# Altium PCB work_pcb_1.PcbDoc (part 2 of 3)
Units mm, origin at the board's own origin, x right, y up, seen from the top; angles counter-clockwise.
Board outline 119 x 103.3 mm, 3 copper layers (Top, Signal Layer 1, Bottom), stack 1.927 mm thick; 306 components, 217 nets, 981 pads, 395 vias.
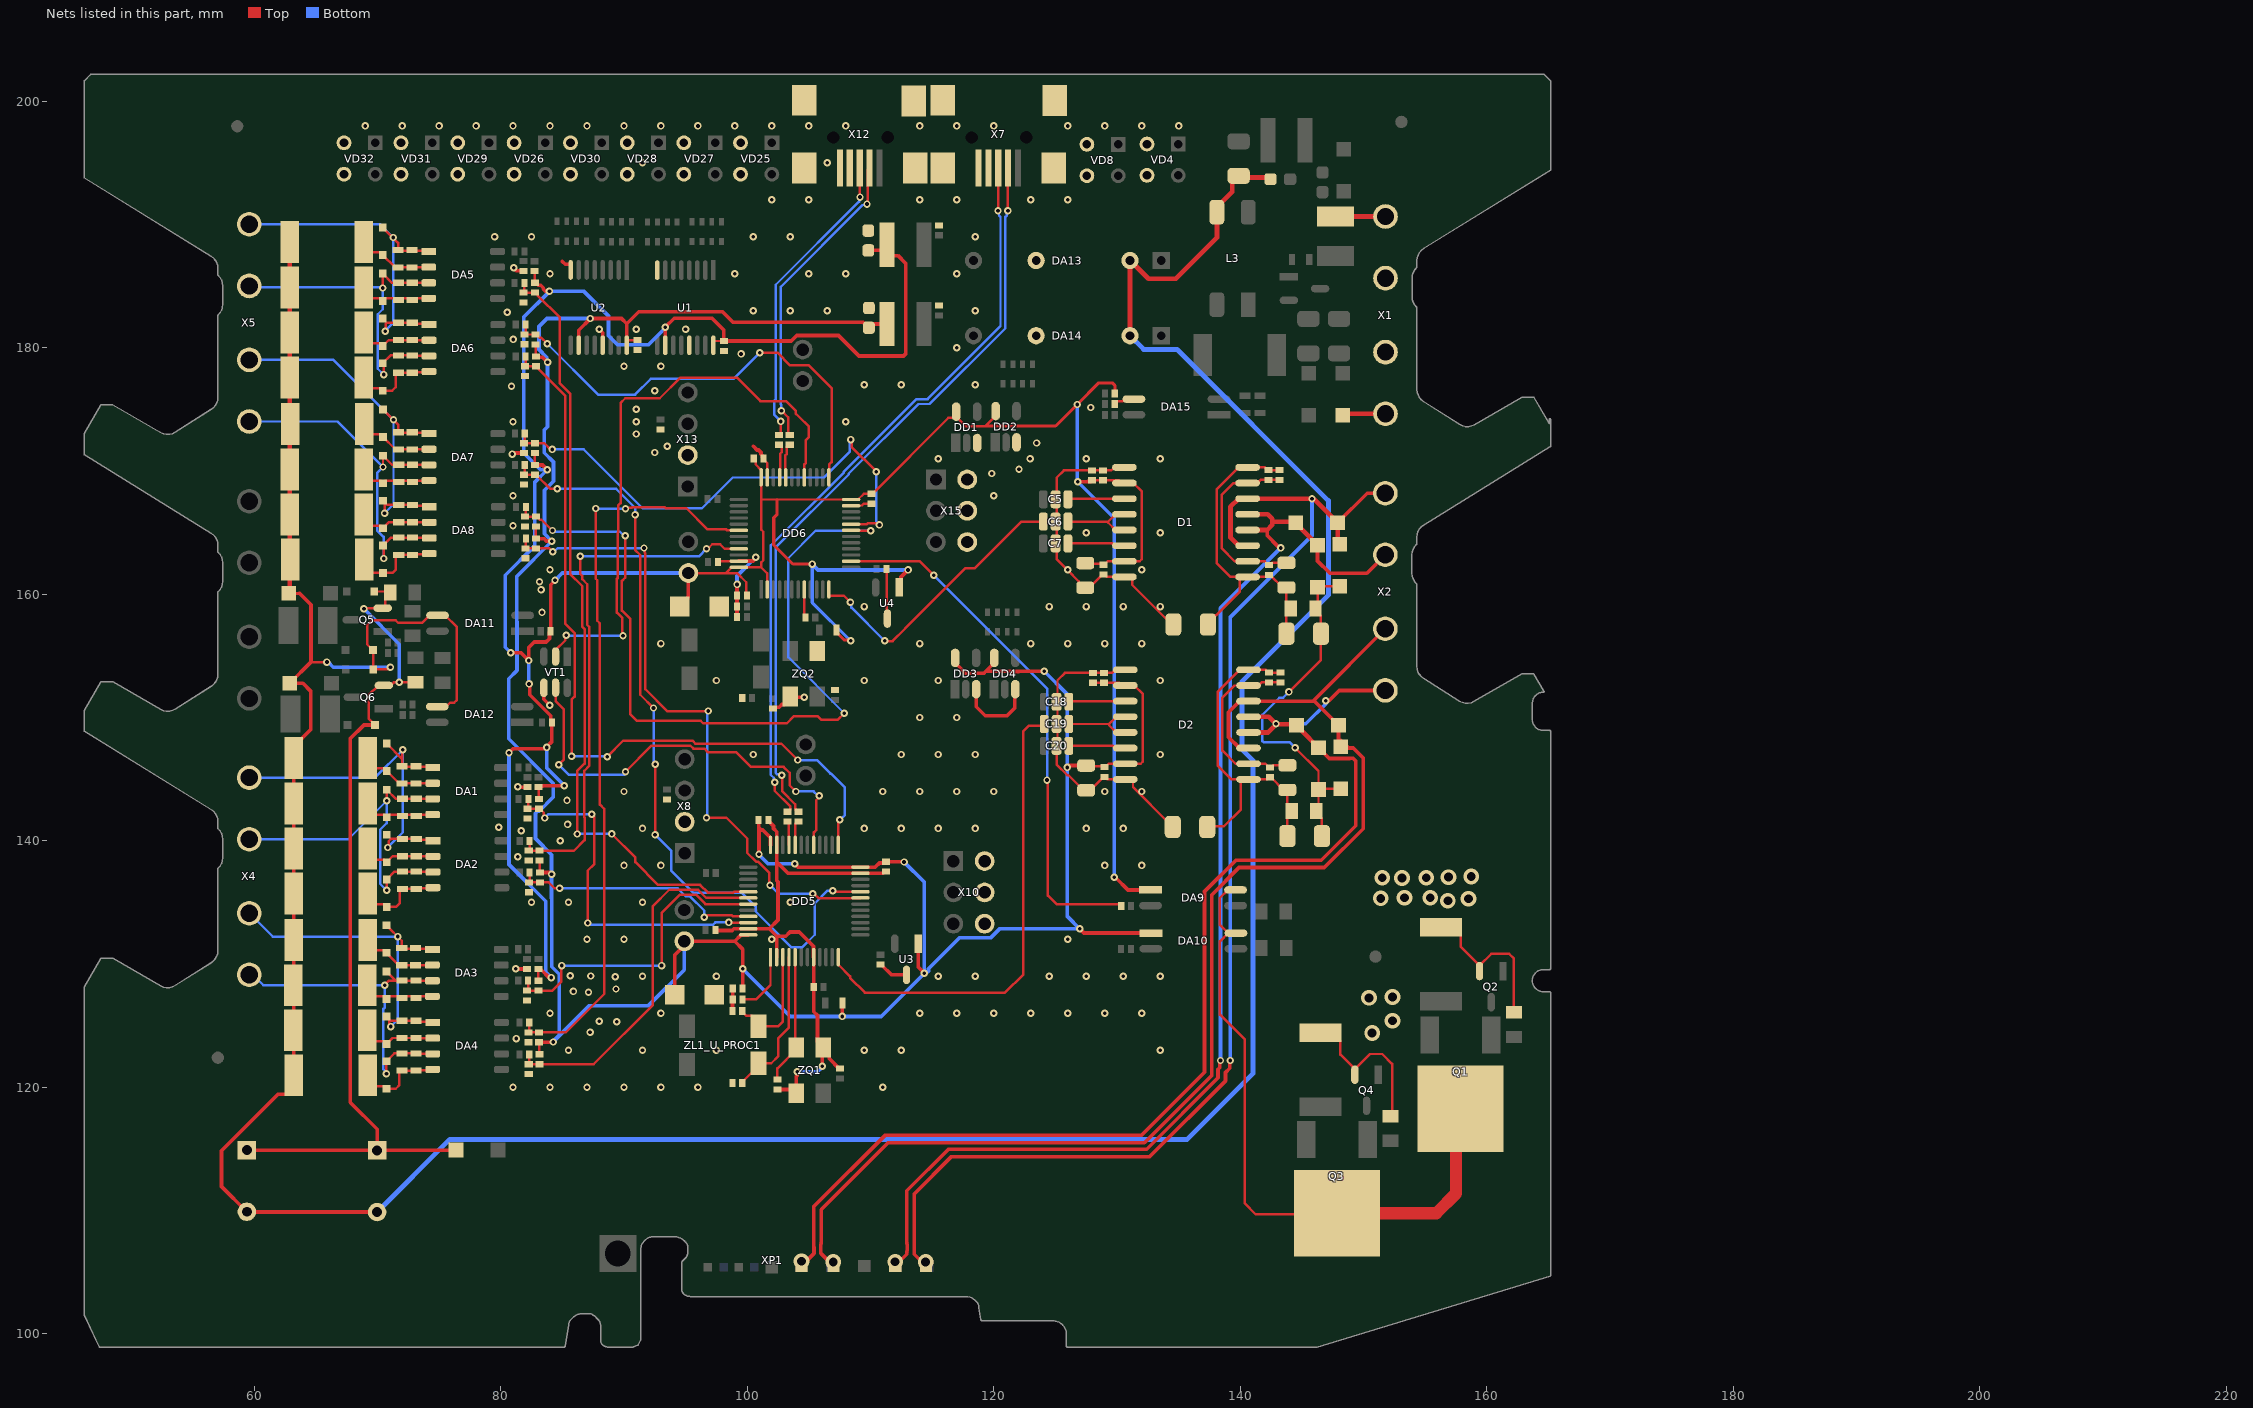
[diagram p3: the nets of this part, all layers, seen from the top]

## Via types
v1: diameter 0.6, hole 0.3, Top to Bottom, tented both sides, 377 vias
v2: diameter 1.27, hole 0.711, Top to Bottom, tented both sides, 18 vias

## Nets (pads, with @x,y where several pads share a name; then routed paths per layer and width w, separated by ;. In a path a pad name is that pad's centre, name@x,y a point inside that pad or via, vN(x,y) a via of type N, cw(c..) or ccw(c..) an arc to the next point about the centre after c; other vN are vias at no path point) (continued)
1out1_4: C54.2 DD6.20 R67.1 R71.1 | length 42.7
  Top w0.2: R71.1@81.945,173.049 81.945,172.325 C54.2@81.874,172.254 81.876,172.252 82.774,172.252 R67.1@82.776,172.25 83.55,172.25 84.05,171.75 v1(84.175,171.75) ; v1(108.4,172.55) 108.475,172.475 108.475,171.95 v1(110.475,169.95) ; DD6.20@108.426,165.687 109.714,165.687 109.776,165.75 110.492,165.75 110.617,165.625 v1(110.725,165.625)
  Bottom w0.2: v1(84.175,171.75) 86.739,171.75 91.514,166.975 96.326,166.975 98.826,169.475 106.225,169.475 108.3,171.55 108.3,172.45 v1(108.4,172.55) ; v1(110.475,169.95) 110.475,165.825 110.675,165.625 v1(110.725,165.625)
1out2_1: C28.2 DD6.45 R8.1 R13.1 | length 42.7
  Top w0.2: R13.1@82.345,139.999 82.345,139.275 C28.2@82.274,139.204 82.276,139.202 83.148,139.202 R8.1@83.151,139.2 83.175,139.175 85.925,139.175 86.8,140.05 86.8,141.888 86.779,141.908 86.779,145.673 87.2,146.094 87.2,157.346 87.025,157.521 87.025,160.814 86.625,161.214 86.625,161.472 86.45,161.647 v1(86.45,163.075) ; v1(96.7,163.7) 96.808,163.7 97.166,164.058 97.803,164.058 98.174,163.687 DD6.45@99.326,163.687
  Bottom w0.2: v1(86.45,163.075) 96.075,163.075 v1(96.7,163.7)
1out2_2: C36.2 DD6.42 R28.1 R33.1 | length 60.3
  Top w0.2: C36.2@82.249,124.454 82.32,124.525 R33.1@82.32,125.249 ; C36.2@82.32,124.452 83.123,124.452 R28.1@83.126,124.45 85.275,124.45 88.4,127.575 88.4,142.581 88.05,142.931 88.05,157.627 87.829,157.848 87.829,161.141 87.704,161.266 v1(87.704,166.958) ; v1(90.125,166.95) 90.202,167.027 90.628,167.027 90.651,167.05 93.3,167.05 93.375,166.975 95.061,166.975 96.778,165.258 98.3,165.258 98.356,165.203 99.31,165.203 DD6.42@99.326,165.187
  Bottom w0.2: v1(87.704,166.958) 87.708,166.954 90.121,166.954 v1(90.125,166.95)
1out2_3: C44.2 DD6.25 R48.1 R53.1 | length 37.7
  Top w0.2: R53.1@82.02,181.874 82.02,181.15 C44.2@81.949,181.079 81.951,181.077 82.823,181.077 R48.1@82.825,181.075 82.9,181.075 83.15,180.825 83.275,180.825 v1(83.775,180.325) ; v1(101.025,179.6) 102.454,179.6 103.479,178.575 105,178.575 106.85,176.725 106.85,170.726 106.641,170.517 106.641,169.503 DD6.25@106.626,169.487
  Bottom w0.2: v1(83.775,180.325) 87.9,176.2 90.907,176.2 92.177,177.47 98.895,177.47 v1(101.025,179.6)
1out2_4: C52.2 DD6.19 R68.1 R73.1 | length 66.5
  Top w0.2: R73.1@82.045,167.099 82.045,166.375 C52.2@81.974,166.304 81.976,166.302 82.849,166.302 R68.1@82.851,166.3 82.926,166.3 83.176,166.05 83.3,166.05 84.178,165.172 v1(84.197,165.172) ; v1(90.1,164.75) 90.1,161.359 89.829,161.088 89.829,158.676 90.525,157.98 90.525,156.376 90.5,156.351 90.5,150.284 91.064,149.72 96.228,149.72 96.416,149.532 103.215,149.532 103.797,150.115 105.703,150.115 106.018,149.8 107.325,149.8 v1(107.875,150.35) ; DD6.19@108.426,165.187 108.441,165.172 110.003,165.172 v1(110.025,165.15)
  Bottom w0.2: v1(84.197,165.172) 84.294,165.075 89.667,165.075 89.992,164.75 v1(90.1,164.75) ; v1(107.875,150.35) 103.325,154.9 103.325,162.925 105.55,165.15 v1(110.025,165.15)
2out1_1: C34.2 DD5.46 R17.1 R21.1 | length 28.9
  Top w0.2: C34.2@82.174,142.599 R17.1@83.099,142.599 83.174,142.599 83.498,142.274 83.498,141.927 v1(83.575,141.85) ; C34.2@82.245,142.67 R21.1@82.245,143.399 ; v1(87.05,133.325) 87.05,137.567 87.6,138.117 87.6,141.95 87.393,142.157 v1(87.379,142.157) ; v1(98.5,133.375) 98.513,133.362 DD5.46@100.088,133.362
  Bottom w0.2: v1(83.575,141.85) 83.882,142.157 v1(87.379,142.157) ; v1(87.05,133.325) 87.175,133.2 97.247,133.2 97.422,133.375 v1(98.5,133.375)
2out1_2: C42.2 DD5.43 R37.1 R41.1 | length 25.4
  Top w0.2: C42.2@82.149,127.849 R37.1@83.074,127.849 84.199,127.849 84.9,128.55 84.9,129.812 v1(84.963,129.875) ; C42.2@82.22,127.92 R41.1@82.22,128.649 ; v1(93.05,129.875) 93.05,134.125 94.55,135.625 95.848,135.625 96.611,134.862 DD5.43@100.088,134.862
  Bottom w0.2: v1(84.963,129.875) v1(93.05,129.875)
2out1_3: C50.2 DD5.41 R57.1 R61.1 | length 63.6
  Top w0.2: C50.2@81.849,184.474 R57.1@82.774,184.474 82.849,184.474 82.999,184.324 82.999,184.249 84.8,182.448 84.8,177.114 85.625,176.289 85.625,161.649 86.625,160.649 86.625,157.355 86.8,157.18 86.8,146.259 86.2,145.659 v1(86.2,140.55) ; C50.2@81.92,184.545 R61.1@81.92,185.274 ; v1(89.004,140.557) 90.928,138.633 90.928,138.272 92.775,136.425 96.18,136.425 96.805,135.8 98.864,135.8 98.927,135.862 DD5.41@100.088,135.862
  Bottom w0.2: v1(86.2,140.55) 86.203,140.553 89.001,140.553 v1(89.004,140.557)
2out1_4: C58.2 DD5.20 R77.1 R81.1 | length 63.1
  Top w0.2: C58.2@81.874,169.699 R77.1@82.799,169.699 82.874,169.699 84.024,168.55 v1(84.575,168.55) ; C58.2@81.945,169.77 R81.1@81.945,170.499 ; v1(90.9,166.45) 90.9,163.6 91.325,163.175 91.325,151.85 v1(92.4,150.775) ; v1(92.525,140.5) 92.55,140.525 v1(92.55,146.2) ; v1(106.95,135.95) 107.022,135.878 109.172,135.878 DD5.20@109.188,135.862
  Bottom w0.2: v1(84.575,168.55) 89.374,168.55 90.9,167.024 v1(90.9,166.45) ; v1(92.4,150.775) 92.4,146.35 v1(92.55,146.2) ; v1(92.525,140.5) 93.825,139.2 93.825,137.586 95.611,135.8 99.538,135.8 100.674,134.663 100.674,134.277 103.601,131.35 104.45,131.35 105.475,132.375 105.475,134.925 106.5,135.95 v1(106.95,135.95)
2out2_1: C33.2 DD5.45 R18.1 R23.1 | length 20.2
  Top w0.2: R23.1@82.345,137.411 82.345,136.669 C33.2@82.299,136.624 R18.1@83.174,136.624 83.901,136.624 84.375,136.15 v1(84.775,136.15) ; v1(96.525,133.8) 96.633,133.8 96.808,133.975 98.749,133.975 98.861,133.862 DD5.45@100.088,133.862
  Bottom w0.2: v1(84.775,136.15) 94.35,136.15 95.01,135.49 95.356,135.49 96.525,134.321 v1(96.525,133.8)
2out2_2: C41.2 DD5.42 R38.1 R43.1 | length 29.5
  Top w0.2: R43.1@82.32,122.661 82.32,121.919 C41.2@82.274,121.874 R38.1@83.149,121.874 87.549,121.874 92.35,126.675 92.35,134.7 93.675,136.025 96.014,136.025 96.677,135.362 DD5.42@100.088,135.362
2out2_3: C49.2 DD5.25 R58.1 R63.1 | length 64
  Top w0.2: R63.1@82.02,179.286 82.02,178.545 C49.2@81.974,178.499 R58.1@82.849,178.499 82.924,178.499 83.074,178.349 83.074,178.274 85.225,176.123 85.225,157.624 86,156.849 86,151.701 85.75,151.451 v1(85.75,146.85) ; v1(88.65,146.825) 89.945,148.12 95.546,148.12 95.791,147.875 102.775,147.875 v1(104.1,146.55) ; DD5.25@107.388,139.662 107.388,141.479 107.5,141.592 v1(107.5,141.7)
  Bottom w0.2: v1(85.75,146.85) 88.625,146.85 v1(88.65,146.825) ; v1(104.1,146.55) 105.65,146.55 106.75,145.45 106.799,145.45 107.925,144.324 107.925,142.067 107.808,141.95 107.775,141.95 107.525,141.7 v1(107.5,141.7)
2out2_4: C57.2 DD5.19 R78.1 R83.1 | length 53.1
  Top w0.2: R83.1@82.045,164.511 82.045,163.77 C57.2@82,163.724 R78.1@82.874,163.724 83.951,163.724 v1(84.222,163.453) ; v1(91.625,163.75) 91.702,163.673 91.702,163.364 91.725,163.341 91.725,152.299 93.504,150.52 96.817,150.52 v1(96.83,150.532) ; v1(96.7,141.875) 98.299,141.875 100,140.174 100,139.013 100.711,138.302 100.88,138.302 101.8,137.382 101.8,136.45 v1(101.85,136.4) ; v1(105.325,135.7) 105.433,135.7 105.783,135.35 109.175,135.35 DD5.19@109.188,135.362
  Bottom w0.2: v1(84.222,163.453) 84.33,163.453 84.627,163.75 v1(91.625,163.75) ; v1(96.7,141.875) 96.765,141.94 96.765,150.467 v1(96.83,150.532) ; v1(101.85,136.4) 102.55,135.7 v1(105.325,135.7)
3v_1: C1.1 C2.2 C8.2 C10.2 C59.1 C73.1 C74.1 C75.1 C76.2 C93.2 D1.2 D1.7 DA9.1 DD1.5 DD2.5 DD6.2 DD6.24 DD6.36 DD6.48 L2.1 L5.2 R7.2 R17.2 R27.2 R37.2 R47.2 R57.2 R67.2 R77.2 R114.1 R117.1 R120.2 U1.10 U1.16 U4.1 X11.1 | length 291.7
  Top w0.2: R47.2@82.751,186.225 82.751,185.298 R57.2@82.774,185.274 ; R77.2@82.776,170.523 R67.2@82.776,171.45 ; R27.2@83.05,129.6 83.05,128.672 R37.2@83.074,128.649 ; R7.2@83.075,144.35 83.075,143.422 R17.2@83.099,143.399 ; C76.2@94.525,159 C76.2@94.65,158.875 ; X11.1@95.225,161.725 95.25,161.7 98.228,161.7 ; U1.16@97.2,180.25 97.2,180.431 97.319,180.55 C59.1@98.1,180.55 ; C75.1@99.975,159.9 99.925,159.95 99.925,160.975 99.2,161.7 98.228,161.7 ; C73.1@100.525,171.025 100.675,170.875 100.675,170.548 101.126,170.097 DD6.36@101.126,169.487 101.126,167.625 ; DD6.2@101.626,160.387 101.626,161.699 101.138,162.187 ; DD2.5@120.15,174.865 120.15,174.465 119.335,173.65 117.715,173.65 116.95,174.415 116.854,174.319 116.319,174.319 110.15,168.15 C74.1@110.075,168.15 109.45,168.15 109.051,167.751 109.051,167.724 109.014,167.687 DD6.24@108.426,167.687 102.425,167.687 101.188,167.687 101.126,167.625 ; C8.2@127.425,162.525 127.488,162.463 128.837,162.463 C10.2@128.9,162.4 128.975,162.4 129.25,162.675 D1.7@130.599,162.675 131.85,162.675 132.025,162.85 132.025,168.324 131.324,169.025 D1.2@130.599,169.025 ; C1.1@127.975,169.25 C2.2@128.875,169.25 130.125,169.25 D1.2@130.475,168.9 ; 98.228,161.7 98.716,162.187 DD6.48@99.326,162.187 101.138,162.187 ; 101.125,167.624 101.125,165.244 101.3,165.069 101.3,162.751 101.138,162.589 101.138,162.187
  Top w0.254: 102.425,167.687 102.425,166.488 102.148,166.211 102.148,164.002 103.7,162.45 v1(105.275,162.45) ; L2.1@107.25,157.1 107.25,156.9 107.859,156.291 108.334,156.291 v1(108.4,156.225) ; 119.335,173.65 125.025,173.65 v1(126.774,175.399) 128.523,177.148 129.627,177.148 129.825,176.95 R120.2@129.825,176.3
  Top w0.3: v1(80.675,147.15) 81.001,147.475 83.825,147.475 v1(83.725,147.575) 83.725,147.625 84.15,148.05 R117.1@84.15,149.6 84.05,149.7 84.05,150.15 82.357,151.843 82.357,152.668 v1(82.3,152.725) ; v1(80.825,155.25) 81.65,155.25 v1(82.275,154.625) 82.275,155.675 82.725,156.125 83.675,156.125 83.95,156.4 83.95,156.899 R114.1@84.05,156.999 84.05,160.775 v1(84.4,161.125) ; R57.2@82.774,185.274 82.849,185.274 83.049,185.074 83.244,185.074 83.449,184.869 83.449,184.776 83.625,184.6 83.925,184.6 v1(83.95,184.575) ; R77.2@82.776,170.523 82.817,170.482 83.393,170.482 v1(83.775,170.1) ; R27.2@83.05,129.6 83.15,129.5 83.325,129.5 83.925,128.9 v1(84.1,128.9) ; R7.2@83.075,144.35 83.175,144.45 83.401,144.45 83.426,144.475 v1(85.15,144.475) ; U1.10@93.35,180.201 v1(93.35,181.675) 94.075,182.4 97.15,182.4 98.1,181.45 C59.1@98.1,180.55 103.573,180.55 104.024,181 107.4,181 109.075,179.325 112.674,179.325 112.85,179.501 112.85,186.85 112.224,187.476 111.8,187.476 111.35,187.926 L5.2@111.35,188.35 110.9,187.9 C93.2@109.825,187.9 ; C76.2@94.525,159 95.175,159.65 95.175,159.776 95.225,159.826 X11.1@95.225,161.725 ; U4.1@112.325,160.55 112.475,160.7 112.475,161.4 v1(113.05,161.975) ; v1(126.825,169.125) 127.624,169.125 127.649,169.15 127.875,169.15 C1.1@127.975,169.25 ; v1(129.775,137.05) 129.825,137 129.9,137 130.89,136.01 DA9.1@132.725,136.01
  Bottom w0.254: v1(105.275,162.45) 105.275,159.325 108.375,156.225 v1(108.4,156.225)
  Bottom w0.3: v1(80.675,147.15) 80.675,138.075 83.65,135.1 83.65,129.35 v1(84.1,128.9) ; v1(80.825,155.25) 80.375,155.7 80.375,161.55 82.75,163.925 82.75,169.075 v1(83.775,170.1) 83.228,170.1 81.874,171.454 81.874,182.499 v1(83.95,184.575) 86.75,184.575 88.75,182.575 88.75,180.975 89.475,180.25 92,180.25 93.35,181.6 v1(93.35,181.675) ; v1(82.275,154.625) 82.275,152.75 v1(82.3,152.725) ; v1(83.725,147.575) 83.725,145.9 v1(85.15,144.475) ; v1(84.4,161.125) 85,161.725 X11.1@95.225,161.725 ; v1(105.275,162.45) 105.75,161.975 v1(113.05,161.975) ; v1(126.774,175.399) 126.774,169.176 v1(126.825,169.125) 129.775,166.175 v1(129.775,137.05)
3v_2: C14.1 C15.2 C21.2 C23.2 C60.1 C61.1 C62.1 C63.1 C64.2 C97.2 D2.2 D2.7 DA10.1 DD3.5 DD4.5 DD5.24 DD5.36 DD5.48 L1.1 L6.2 R8.2 R18.2 R28.2 R38.2 R48.2 R58.2 R68.2 R78.2 U2.10 U2.16 U3.1 X6.1 | length 253.1
  Top w0.2: R48.2@82.825,180.275 82.825,179.323 R58.2@82.849,179.299 ; R68.2@82.851,165.5 82.851,164.548 R78.2@82.874,164.524 ; R28.2@83.126,123.65 83.126,122.697 R38.2@83.149,122.674 ; R8.2@83.151,138.4 83.151,137.447 R18.2@83.174,137.424 ; U2.16@90.225,180.556 90.294,180.625 C60.1@91.1,180.625 ; C21.2@127.5,146.099 127.562,146.037 128.912,146.037 C23.2@128.975,145.975 129.05,145.975 129.324,146.249 D2.7@130.674,146.249 131.924,146.249 132.1,146.424 132.1,151.898 131.399,152.599 D2.2@130.674,152.599 ; C14.1@128.05,152.824 C15.2@128.95,152.824 130.2,152.824 D2.2@130.55,152.475
  Top w0.3: R58.2@82.849,179.299 82.916,179.232 83.393,179.232 v1(83.8,178.825) ; R78.2@82.874,164.524 82.899,164.5 83.525,164.5 83.707,164.318 84.132,164.318 v1(84.15,164.3) ; R28.2@83.126,123.65 84.225,123.65 v1(84.25,123.675) ; R18.2@83.174,137.424 83.976,137.424 v1(84.125,137.275) ; U2.10@86.325,180.214 86.325,181.425 v1(87.275,182.375) 89.8,182.375 90.225,181.95 ; U2.16@90.225,180.214 90.225,180.556 90.225,181.95 ; C64.2@94.2,127.425 C64.2@94.125,127.5 94.125,130.725 95.25,131.85 98.985,131.85 ; C61.1@99.625,128.025 v1(99.625,129.618) 99.625,131.21 98.985,131.85 ; DD5.48@100.088,132.362 99.498,132.362 98.985,131.85 ; C62.1@100.925,141.675 100.925,141.075 100.95,141.05 ; v1(100.955,138.907) 100.95,138.912 100.95,141.05 ; DD5.36@101.888,139.662 101.888,140.252 101.265,140.875 101.125,140.875 100.95,141.05 ; v1(103.85,138.125) 104.113,137.862 DD5.24@109.188,137.862 110.388,137.862 110.725,138.2 111.15,138.2 C63.1@111.25,138.3 111.263,138.288 112.712,138.288 v1(112.725,138.275) ; v1(107.7,125.75) 107.713,125.763 107.713,126.837 L1.1@107.725,126.85 ; L6.2@111.35,181.925 110.197,181.925 109.897,181.625 C97.2@109.875,181.625 109.853,181.625 109.403,182.075 98.85,182.075 98,182.925 91.2,182.925 90.225,181.95 ; U3.1@113.875,131.65 113.875,129.75 v1(114.375,129.25) ; DD3.5@116.875,154.839 116.875,154.439 117.714,153.6 119.211,153.6 119.361,153.75 ; DD4.5@120.05,154.839 120.05,154.439 119.361,153.75 ; v1(124.1,153.75) 122.051,153.75 122.04,153.739 121.46,153.739 121.449,153.75 119.361,153.75 ; v1(125.975,145.95) 126.124,146.099 C21.2@127.5,146.099 ; v1(126.975,132.85) 127.315,132.51 DA10.1@132.749,132.51
  Bottom w0.3: v1(87.275,182.375) 83.75,182.375 83.1,181.725 83.1,179.85 83.743,179.207 83.743,178.882 v1(83.8,178.825) 83.8,173.6 83.525,173.325 83.525,171.481 84.275,170.731 84.275,169.169 83.547,168.441 83.547,164.903 v1(84.15,164.3) 81.3,161.45 81.3,157.771 81.325,157.746 81.325,153.823 80.65,153.148 80.65,148.268 84.25,144.668 84.25,143.525 83.125,142.4 83.001,142.4 82.825,142.224 82.825,140.175 84.125,138.875 v1(84.125,137.275) 84.125,135.332 84.15,135.307 84.15,129.769 84.75,129.169 84.75,124.236 84.25,123.736 v1(84.25,123.675) 87.2,126.625 92,126.625 94.9,129.525 X6.1@94.9,131.85 ; v1(99.625,129.618) 103.493,125.75 v1(107.7,125.75) 110.875,125.75 v1(114.375,129.25) ; v1(100.955,138.907) 100.955,138.87 101.7,138.125 v1(103.85,138.125) ; v1(112.725,138.275) 114.375,136.625 v1(114.375,129.25) ; v1(124.1,153.75) 125.975,151.875 v1(125.975,145.95) 125.975,133.85 v1(126.975,132.85) 120.471,132.85 119.741,132.12 117.195,132.12 114.7,129.625 114.7,129.426 114.674,129.4 114.606,129.4 114.456,129.25 v1(114.375,129.25)
24+: C94.1 C95.1 Q5.3 Q6.3 R113.2 R116.2 VD39.K VD42.K VD48.K | length 72.2
  Top w0.2: v1(68.9,158.825) 68.95,158.875 Q5.3@70.426,158.875 70.441,158.875 70.625,159.06 70.625,159.724 R113.2@71.025,160.124 70.924,160.226 VD39.K@69.74,160.226 ; VD42.K@69.79,149.4 69.275,149.915 69.275,151.813 70.068,152.606 Q6.3@70.518,152.606 71.076,152.606 71.326,152.856 R116.2@73.079,152.856
  Top w0.3: C95.1@59.4,114.9 C94.1@69.975,114.9 ; VD42.K@69.79,149.4 68.9,149.4 67.8,148.3 67.8,118.775 69.975,116.6 C94.1@69.975,114.9 ; C94.1@69.975,114.875 C94.1@69.975,114.9 ; VD48.K@76.375,114.9 C94.1@69.975,114.9
  Bottom w0.3: v1(68.9,158.825) 71.775,155.95 v1(71.775,152.85)
24-: C90.1 C91.1 C94.2 C95.2 DA11.3 DA12.3 DA13.2 DA14.2 L3.3 R10.1 R15.1 R20.1 R25.1 R30.1 R35.1 R40.1 R45.1 R50.1 R55.1 R60.1 R65.1 R70.1 R75.1 R80.1 R85.1 VD40.A VD41.A VD43.A VD44.A | length 350.1
  Top w0.2: VD40.A@62.8,160.076 62.8,173.8 62.8,181.25 62.8,188.475 R50.1@62.899,188.575 ; R45.1@63.199,120.975 63.224,121 R25.1@63.224,135.725 R10.1@63.224,146.699 ; 64.599,154.5 v1(65.9,154.5) ; v1(71.05,154.075) 70.942,154.075 70.766,153.9 VD44.A@69.665,153.9 69.665,155.45 VD41.A@69.64,155.475 69.175,155.94 69.175,157.5 69.55,157.875 71.487,157.875 71.687,157.675 73.625,157.675 74.234,158.284 DA11.3@74.875,158.284 75.5,158.284 76.45,157.335 76.45,151.425 76.234,151.209 75.908,151.209 75.584,150.885 DA12.3@74.85,150.885
  Top w0.254: VD40.A@62.8,160.076 63.674,160.076 ; VD43.A@62.875,152.775 63.95,152.775
  Top w0.3: VD40.A@62.8,160.076 62.899,160.175 62.899,166.475 R65.1@62.899,177.6 R50.1@62.899,188.575 ; VD43.A@62.875,152.775 64.599,154.5 64.599,159.151 63.674,160.076 ; R10.1@63.224,146.699 R10.1@63.224,147.174 ; 63.95,152.775 64.575,152.15 64.575,149 63.224,147.649 R10.1@63.224,147.174 ; C94.2@69.975,109.875 69.963,109.888 59.412,109.888 C95.2@59.4,109.9 57.35,111.95 57.35,114.845 61.93,119.425 62.599,119.425 63.199,120.025 R45.1@63.199,120.975 63.199,128.274 R30.1@63.199,131.949 R20.1@63.199,139.375 R15.1@63.199,143.024 63.199,147.149 R10.1@63.224,147.174
  Top w0.4: DA14.2@131.06,180.975 DA13.2@131.06,187.075 131.085,187.075 132.56,185.6 134.775,185.6 138.105,188.93 L3.3@138.105,191 138.105,191.4 139.351,192.646 139.351,193.509 139.791,193.95 C90.1@139.875,193.95 140.012,193.812 142.313,193.812 C91.1@142.45,193.675
  Bottom w0.3: v1(65.9,154.5) 65.981,154.5 66.406,154.075 v1(71.05,154.075)
  Bottom w0.4: C94.2@69.975,109.875 75.875,115.775 135.7,115.775 141.025,121.1 141.025,146.525 140.154,147.396 140.154,152.929 147.15,159.925 147.15,167.6 134.875,179.875 132.16,179.875 DA14.2@131.06,180.975
485_1_N: D1.12 D1.13 VD1.K VD2.K X2.2 XP1.2 | length 99.9
  Top w0.3: XP1.2@112,105.5 112.95,106.45 112.95,106.679 112.996,106.725 112.996,107.276 112.95,107.322 112.95,111.597 116.328,114.975 132.408,114.975 138.2,120.767 138.2,121.449 138.343,121.592 138.343,122.118 v1(138.4,122.175) ; 142.191,165.215 142.191,164.764 143.031,163.925 143.034,163.925 143.201,163.758 v1(143.282,163.758) ; VD2.K@146.275,163.975 146.275,162.7 147.275,161.7 150.276,161.7 X2.2@151.776,163.2
  Top w0.381: D1.12@140.599,165.215 142.191,165.215 142.6,165.623 142.6,165.874 ; D1.13@140.599,166.485 142.241,166.485 142.6,166.125 142.6,165.874 ; VD2.K@146.275,163.975 144.909,165.34 144.909,165.391 VD1.K@144.5,165.8 144.426,165.874 142.6,165.874
  Bottom w0.3: v1(138.4,122.175) 138.4,158.876 143.273,163.749 143.273,163.848 143.282,163.839 v1(143.282,163.758)
  other v2: 112,105.85
485_1_P: D1.11 D1.14 VD1.A VD3.K X2.1 XP1.1 | length 106.4
  Top w0.3: XP1.1@114.5,105.5 113.55,106.45 113.55,111.349 116.576,114.375 132.657,114.375 138.8,120.518 138.8,121.201 139.143,121.543 139.143,122.118 v1(139.2,122.175) ; VD3.K@147.625,164.5 147.9,164.225 VD3.K@148.075,164.05 ; VD1.A@147.9,165.8 150.3,168.2 X2.1@151.776,168.2
  Top w0.381: D1.11@140.599,163.945 139.874,163.945 139.209,164.61 139.209,167.089 139.874,167.755 D1.14@140.599,167.755 v1(145.825,167.755) 145.867,167.713 145.987,167.713 VD1.A@147.9,165.8 VD3.K@147.9,164.225
  Bottom w0.3: v1(139.2,122.175) 139.2,158.15 145.825,164.775 v1(145.825,167.755)
  other v2: 114.475,105.825
485_2_N: D2.12 D2.13 VD5.K VD6.K X2.4 XP1.5 | length 98.1
  Top w0.3: XP1.5@104.4,105.5 105.423,106.523 105.423,107.023 105.4,107.046 105.4,110.322 111.174,116.096 131.974,116.096 137.1,121.222 137.1,135.878 139.647,138.425 146.576,138.425 149.375,141.224 149.375,146.475 149.159,146.691 148.911,146.691 148.895,146.674 147.225,146.674 VD6.K@146.35,147.55 ; v1(146.95,151.35) 147.175,151.35 148.025,152.2 X2.4@151.776,152.2
  Top w0.381: D2.12@140.674,148.789 142.266,148.789 142.675,149.198 ; D2.13@140.674,150.059 142.315,150.059 142.675,149.699 ; v1@142.9,149.449 144.501,149.449 VD5.K@144.575,149.375 144.984,148.965 144.984,148.915 VD6.K@146.35,147.55
  Bottom w0.3: v1(142.9,149.5) 145.325,149.5 146.95,151.125 v1(146.95,151.35)
  other v2: 104.4,105.875
485_2_P: D2.11 D2.14 VD5.A VD7.K X2.3 XP1.4 | length 102.2
  Top w0.3: XP1.4@107,105.5 105.977,106.523 105.977,107.253 105.954,107.276 106,107.322 106,110.074 111.422,115.496 132.222,115.496 137.7,120.974 137.7,135.629 139.896,137.825 146.825,137.825 149.975,140.975 149.975,146.724 149.174,147.525 148.775,147.525 VD7.K@148.15,148.15 ; D2.11@140.674,147.519 139.93,147.519 139.05,148.399 139.05,150.43 139.949,151.329 D2.14@140.674,151.329 146.02,151.329 ; VD7.K@147.975,148.15 VD5.A@147.975,149.375 146.02,151.329 ; X2.3@151.776,157.2 146.02,151.444 146.02,151.329
  other v2: 106.975,105.825
D_U_PROC1_N: DD5.32 R108.1 | length 2
  Top w0.2: DD5.32@103.888,139.662 103.888,141.363 104.075,141.55 R108.1@104.15,141.55
D_U_PROC1_P: DD5.33 R107.1 | length 1.9
  Top w0.2: R107.1@103.25,141.55 103.388,141.412 DD5.33@103.388,139.662
D_U_PROC2_N: DD6.32 R112.1 | length 2.9
  Top w0.2: DD6.32@103.126,169.487 103.126,170.119 103.076,170.169 103.076,171.249 103.212,171.386 103.212,171.858 103.225,171.87 103.225,171.975 103.375,172.125 R112.1@103.45,172.125
D_U_PROC2_P: DD6.33 R111.1 | length 2.9
  Top w0.2: R111.1@102.575,172.125 102.65,172.125 102.8,171.975 102.8,171.87 102.812,171.858 102.812,171.552 102.676,171.415 102.676,170.169 102.626,170.119 DD6.33@102.626,169.487
Du_U_PROC1_N: R108.2 X7.2 | length 60.7
  Top w0.2: v1(102.791,145.316) 102.825,145.281 102.825,144.024 103.9,142.949 103.9,142.617 103.925,142.592 103.925,142.5 104.075,142.35 R108.2@104.15,142.35 ; v1(121.15,191.125) X7.2@121.15,193.775
  Bottom w0.2: v1(102.791,145.316) 102.714,145.392 102.431,145.392 102.308,145.516 102.308,163.794 108.239,169.725 108.239,169.788 113.887,175.436 114.801,175.436 120.95,181.585 120.95,190.616 121.073,190.739 121.073,191.048 v1(121.15,191.125)
Du_U_PROC1_P: R107.2 X7.3 | length 60.6
  Top w0.2: v1(102.225,144.75) 102.225,144.058 103.5,142.783 103.5,142.617 103.475,142.592 103.475,142.5 103.325,142.35 R107.2@103.25,142.35 ; v1(120.35,191.125) X7.3@120.35,193.775
  Bottom w0.2: v1(102.225,144.75) 102.148,144.827 102.148,145.109 101.908,145.35 101.908,163.959 107.839,169.89 107.839,169.953 113.722,175.836 114.635,175.836 120.55,181.751 120.55,190.616 120.427,190.739 120.427,191.048 v1(120.35,191.125)
Du_U_PROC2_N: R112.2 X12.2 | length 25.1
  Top w0.2: v1(102.775,174.9) 103.325,174.35 103.325,173.05 R112.2@103.45,172.925 ; v1(109.716,191.659) 109.793,191.735 109.793,194.456 X12.2@109.924,194.588
  Bottom w0.2: v1(102.775,174.9) 102.775,175.374 102.76,175.359 102.719,175.4 102.719,184.944 109.357,191.582 109.64,191.582 v1(109.716,191.659)
Du_U_PROC2_P: R111.2 X12.3 | length 25
  Top w0.2: R111.2@102.575,172.925 102.725,173.075 102.725,173.938 102.812,174.025 v1(102.725,174.025) ; X12.3@109.124,194.588 109.138,194.575 109.138,192.237 v1(109.151,192.224)
  Bottom w0.2: v1(102.725,174.025) 102.178,174.572 102.178,174.648 102.175,174.651 102.175,175.149 102.178,175.152 102.178,175.699 102.319,175.839 102.319,185.109 109.074,191.865 109.074,192.148 v1(109.151,192.224)
ERTH: C13.1 C26.1 R1.1 R4.1 VD2.A VD3.A VD6.A VD7.A | length 29.4
  Top w0.2: v1(143.95,152.075) 146.55,154.675 C13.1@146.55,156.8 146.55,158.25 146.275,158.525 VD2.A@146.275,160.575 146.35,160.65 VD3.A@148.075,160.65 ; v1(144.45,147.55) 146.35,145.65 VD6.A@146.35,144.149 ; C26.1@146.625,140.375 146.625,141.824 146.35,142.099 VD6.A@146.35,144.149 ; VD7.A@148.15,144.225 146.425,144.225 VD6.A@146.35,144.149
  Bottom w0.2: v1(143.95,152.075) 143.475,151.6 143.175,151.6 141.8,150.225 141.8,148.092 141.917,147.975 144.025,147.975 v1(144.45,147.55)
G1: DD6.29 VT1.2 | length 48.1
  Top w0.2: VT1.2@84.45,154.95 84.45,155.474 85.248,156.273 85.248,156.598 v1(85.325,156.675) ; v1(89.925,156.625) 89.875,156.675 89.875,158.065 89.429,158.51 89.429,161.254 89.5,161.324 89.5,164.999 89.525,165.024 89.525,167.199 89.725,167.399 89.725,175.525 90.1,175.9 92.9,175.9 94.575,177.575 99.175,177.575 101.075,175.675 103.147,175.675 103.923,174.898 103.923,174.677 104.2,174.4 104.2,174.399 105,173.599 105,172.75 104.733,172.483 104.733,170.63 104.641,170.537 104.641,169.502 DD6.29@104.626,169.487
  Bottom w0.2: v1(85.325,156.675) 85.35,156.65 89.9,156.65 v1(89.925,156.625)
G2: DD5.29 VT1.5 | length 35.7
  Top w0.2: VT1.5@84.45,152.425 84.45,151.325 85.125,150.65 85.125,146.6 v1(84.7,146.175) ; v1(90.125,145.6) 92.245,147.72 95.381,147.72 95.626,147.475 96.525,147.475 96.825,147.175 99.125,147.175 100.3,146 102.955,146 103.452,145.502 103.452,144.498 v1(103.95,144) ; DD5.29@105.388,139.662 105.403,139.678 105.403,140.672 105.6,140.869 105.6,143.292 105.85,143.542 v1(105.85,143.65)
  Bottom w0.2: v1(84.7,146.175) 85.525,145.35 90.008,145.35 90.125,145.467 v1(90.125,145.6) ; v1(103.95,144) 105.392,144 105.742,143.65 v1(105.85,143.65)
GND: C1.2 C2.1 C5.3 C6.3 C7.3 C8.1 C10.1 C12.1 C14.2 C15.1 C18.3 C19.3 C20.3 C21.1 C23.1 C25.1 C28.1 C30.1 C33.1 C34.1 C36.1 C38.1 C41.1 C42.1 C44.1 C46.1 C49.1 C50.1 C52.1 C54.1 C57.1 C58.1 C59.2 C60.2 C61.2 C62.2 C63.2 C64.1 C65.2 C66.2 C67.2 C68.2 C69.1 C70.2 C71.2 C72.1 C73.2 C74.2 C75.2 C76.1 C77.2 C78.2 C79.2 C80.2 C81.1 C82.2 C83.2 C84.1 C92.2 C93.1 C96.2 C97.1 C99.1 D1.1 D1.8 D2.1 D2.8 DA13.5 DA14.5 DA15.3 DD1.3 DD2.3 DD3.3 DD4.3 DD5.2 DD5.8 DD5.23 DD5.35 DD5.47 DD6.8 DD6.23 DD6.35 DD6.47 R105.1 R109.1 U1.8 U1.13 U2.8 U2.13 U3.2 U4.2 VD4.2 VD4.4 VD8.2 VD8.4 VD25.2 VD25.4 VD26.2 VD26.4 VD27.2 VD27.4 VD28.2 VD28.4 VD29.2 VD29.4 VD30.2 VD30.4 VD31.2 VD31.4 VD32.2 VD32.4 VT1.4 X7.4 X7.5 X7.6 X8.2 X10.4 X10.5 X10.6 X12.4 X12.5 X12.6 X13.2 X15.4 X15.5 X15.6 ZQ1.2 ZQ1.4 ZQ2.2 ZQ2.4 | length 142
  Top w0.2: R109.1@97.625,162.625 97.687,162.687 DD6.47@99.326,162.687 ; C73.2@101.325,171.025 101.325,170.95 101.626,170.649 DD6.35@101.626,169.487 ; DD6.8@104.626,160.387 104.641,160.372 104.641,158.209 C82.2@104.725,158.125 ; DD6.23@108.426,167.187 108.441,167.203 109.303,167.203 109.45,167.35 C74.2@110.075,167.35 ; C84.1@111.3,162.05 111.337,162.012 111.337,158.063 U4.2@111.375,158.025 ; C99.1@129.825,175.425 129.825,175.5 129.975,175.65 130.457,175.65 130.642,175.835 DA15.3@131.375,175.835 ; D2.1@130.674,153.869 129.854,153.869 129.61,153.624 C15.1@128.95,153.624 C14.2@128.05,153.624 125.775,153.624 125.175,153.024 125.175,149.474 125.175,147.699 125.099,147.623 125.099,146.189 125.97,145.318 126.056,145.318 127.275,144.099 C21.1@127.5,144.099 127.807,144.407 128.132,144.407 128.9,145.175 C23.1@128.975,145.175 129.05,145.175 129.245,144.979 D2.8@130.674,144.979 131.137,144.979 131.299,144.817 131.299,144.35 134.225,141.425 C25.1@134.225,141.174 ; D1.1@131.324,170.295 D1.1@130.599,170.295 129.78,170.295 129.535,170.05 C2.1@128.875,170.05 C1.2@127.975,170.05 125.7,170.05 125.1,169.45 125.1,165.9 125.1,162.85 125.975,161.975 126.893,161.057 126.893,160.914 127.281,160.525 C8.1@127.425,160.525 127.732,160.832 128.057,160.832 128.825,161.6 C10.1@128.9,161.6 128.975,161.6 129.17,161.405 D1.8@130.599,161.405 131.063,161.405 131.224,161.243 131.224,160.776 134.15,157.85 C12.1@134.15,157.6
  Top w0.3: v1(80.925,171.375) 81.004,171.454 C54.1@81.874,171.454 ; v1(81.05,186.5) 81.05,186.45 81.254,186.246 81.832,186.246 C46.1@81.849,186.229 ; v1(81.225,129.625) 81.246,129.604 C38.1@82.149,129.604 ; v1(81.375,144.375) 81.396,144.354 C30.1@82.174,144.354 ; VT1.4@83.5,152.41 83.5,151.475 v1(83.975,151) ; 85,187 85.226,186.774 85.652,186.774 85.675,186.751 U2.8@85.675,186.314 ; v1(88,181.5) 88.275,181.225 U2.13@88.275,180.214 ; R105.1@97.425,132.775 97.475,132.725 98.769,132.725 98.907,132.862 DD5.47@100.088,132.862 101.788,132.862 ; C67.2@98.8,126.2 98.813,126.212 98.813,127.113 C65.2@98.825,127.125 C61.2@98.825,128.025 ; C79.2@99.175,158.15 v1(99.175,160.8) ; DD6.47@99.326,162.687 99.336,162.697 100.472,162.697 100.7,162.925 v1(100.7,163) ; 100.5,172 100.8,171.7 100.92,171.7 101.125,171.495 101.125,171.375 101.225,171.275 101.225,171.125 C73.2@101.325,171.025 ; C62.2@101.725,141.675 101.725,141.6 102.125,141.2 102.125,141 102.388,140.737 DD5.35@102.388,139.662 102.388,138.275 ; C80.2@102.1,150.725 102.2,150.825 102.6,150.825 102.825,151.05 103,151.05 103.475,151.525 ZQ2.2@103.475,151.7 103.525,151.65 v1(104.625,151.65) ; DD5.2@102.388,130.562 102.388,132.262 ; C68.2@102.45,119.825 103.675,119.825 ZQ1.2@103.975,119.525 103.975,120.875 104.05,120.95 v1(104.05,121.25) ; v1(106.075,121.7) 106.075,123.125 ZQ1.4@106.175,123.225 ; C69.1@107.525,121.525 107.45,121.525 106.65,122.325 106.65,122.75 ZQ1.4@106.175,123.225 ; C72.1@110.8,129.95 110.875,129.95 111.7,129.125 U3.2@112.925,129.125 ; C63.2@111.25,137.5 111.175,137.5 111.037,137.362 DD5.23@109.188,137.362 103.3,137.362 102.388,138.275 ; DD3.3@118.575,152.299 118.575,150.881 119.306,150.15 121.075,150.15 121.7,150.775 121.7,152.249 DD4.3@121.75,152.299 ; 101.788,132.862 102.5,133.575 102.5,136.669 102.388,136.782 102.388,138.275 ; 101.788,132.862 102.388,132.262 ; 102.388,132.262 103.134,132.262 103.472,132.6 104.219,132.6 105.378,131.441 105.378,130.572 DD5.8@105.388,130.562 105.394,130.556 105.394,128.156 C70.2@105.4,128.15 105.4,126.125 105.7,125.825 105.7,123.7 ZQ1.4@106.175,123.225
  Bottom w0.3: v1(99.175,160.8) 99.175,161.475 v1(100.7,163) ; v1(104.05,121.25) 105.725,121.25 106.075,121.6 v1(106.075,121.7)
  other v1: 81,120 84,120 87,120 90,120 93,120 96,120 111,120 85.5,123 91.5,123 97.5,123 109.5,123 112.5,123 133.5,123 81.25,123.95 87.25,124.475 89.425,125.325 88,125.35 84,126 93,126 114,126 117,126 120,126 123,126 126,126 129,126 132,126 87.125,127.7 85.9,127.775 89.35,127.975 89.3,128.975 91.5,129 97.5,129 115.5,129 118.5,129 124.5,129 127.5,129 130.5,129 133.5,129 87.3,129.025 85.65,129.05 87,132 90,132 102,132 126,132 82.5,135 85.5,135 91.5,135 103.5,135 90,138 93,138 129,138 132,138 81.375,138.7 84.825,140 81.675,140.825 91.5,141 109.5,141 112.5,141 115.5,141 118.5,141 127.5,141 130.5,141 79.85,141.1 85.425,141.325 85.375,143.275 90,144 111,144 114,144 117,144 120,144 129,144 132,144 100.5,147 112.5,147 115.5,147 118.5,147 133.5,147 114,150 117,150 97.5,153 109.5,153 115.5,153 133.5,153 93,156 114,156 123,156 126,156 129,156 132,156 83.35,158.525 109.5,159 124.5,159 127.5,159 130.5,159 133.5,159 83.275,160.375 83.15,161.025 84,162 126,162 132,162 127.5,165 133.5,165 81,165.55 81,168 120,168 119.85,169.8 122.05,170.15 115.5,171 122.95,171 127.5,171 133.5,171 92.5,171.5 93.5,172 123.475,172.275 91,173 81,174 91,174 108,174 91,175 127.875,175.15 92.5,176.5 80.875,176.875 109.5,177 112.5,177 118.5,177 90,178.5 93,178.5 99.5,179.5 117,180 81.025,180.675 91,181.5 95,181.5 80.525,182.875 100.5,183 103.5,183 106.5,183 118.5,183 84,186 99,186 105,186 108,186 117,186 79.5,189 82.5,189 100.5,189 103.5,189 118.5,189 102,192 105,192 114,192 117,192 123,192 126,192 91.5,195 106.5,195 69,198 72,198 75,198 78,198 81,198 84,198 87,198 90,198 93,198 96,198 99,198 102,198 105,198 108,198 114,198 117,198 120,198 126,198 129,198 132,198 135,198
H\o\n\_1: DD6.14 R87.1 | length 43.3
  Top w0.2: DD6.14@108.426,162.687 113.988,162.687 v1(115.125,161.55) ; v1(124.325,144.925) 124.4,144.85 124.4,135.55 125.092,134.858 130.217,134.858 R87.1@130.35,134.725
  Bottom w0.2: v1(115.125,161.55) 124.325,152.35 v1(124.325,144.925)
in1_1: C27.2 C31.2 DA1.1 DA2.1 R9.2 R19.2 VD9.K VD11.K X4.1 | length 31.7
  Top w0.2: VD9.K@70.749,147.889 71.999,146.639 ; v1(70.825,139.45) 70.902,139.527 70.902,139.961 71.089,140.149 R19.2@72.024,140.149 C31.2@73.149,140.149 73.221,140.076 74.432,140.076 DA2.1@74.505,140.004 ; v1(72.05,147.375) 71.999,147.324 71.999,146.639 ; DA1.1@74.48,145.934 74.422,145.991 72.056,145.991 R9.2@71.999,146.049 71.999,146.639
  Bottom w0.2: X4.1@59.6,145.125 69.8,145.125 v1(72.05,147.375) 72.05,140.675 v1(70.825,139.45)
in1_2: C35.2 C39.2 DA3.1 DA4.1 R29.2 R39.2 VD13.K VD15.K X4.3 | length 29.9
  Top w0.2: VD15.K@70.724,125.739 VD15.K@70.939,125.524 ; VD13.K@70.724,133.139 71.974,131.889 R29.2@71.974,131.299 72.031,131.241 74.397,131.241 DA3.1@74.455,131.184 ; v1(71.075,124.925) 71.075,125.033 70.939,125.169 VD15.K@70.939,125.524 ; DA4.1@74.48,125.254 74.407,125.326 73.196,125.326 C39.2@73.124,125.399 R39.2@71.999,125.399 71.064,125.399 VD15.K@70.939,125.524
  Bottom w0.2: X4.3@59.6,134.125 61.5,132.225 v1(71.65,132.225) 71.65,125.5 v1(71.075,124.925)
in1_3: C43.2 C47.2 DA5.1 DA6.1 R49.2 R59.2 VD17.K VD19.K X5.1 | length 29.1
  Top w0.2: VD17.K@70.424,189.764 71.674,188.514 R49.2@71.674,187.924 71.731,187.867 74.097,187.867 DA5.1@74.155,187.809 ; v1(70.625,181.35) 70.69,181.415 70.69,181.95 70.764,182.024 R59.2@71.699,182.024 C47.2@72.824,182.024 72.896,181.952 74.107,181.952 DA6.1@74.18,181.879
  Bottom w0.2: X5.1@59.6,190.016 70.209,190.016 v1(71.275,188.95) 71.275,182 v1(70.625,181.35)
in1_4: C51.2 C55.2 DA7.1 DA8.1 R69.2 R79.2 VD21.K VD23.K X5.3 | length 31.3
  Top w0.2: VD23.K@70.449,167.589 VD23.K@70.575,167.463 ; VD21.K@70.449,174.989 71.699,173.739 R69.2@71.699,173.149 71.757,173.092 74.123,173.092 DA7.1@74.18,173.034 ; v1(70.575,166.575) VD23.K@70.575,167.463 ; DA8.1@74.205,167.104 74.133,167.177 72.922,167.177 C55.2@72.849,167.249 R79.2@71.724,167.249 70.789,167.249 VD23.K@70.575,167.463
  Bottom w0.2: X5.3@59.6,179.016 66.434,179.016 v1(71.3,174.15) 71.3,167.3 v1(70.575,166.575)
in2_1: C29.2 C32.2 DA1.3 DA2.3 R14.2 R24.2 VD10.K VD12.K X4.2 | length 30
  Top w0.2: VD10.K@70.749,144.14 VD10.K@70.75,144.139 ; v1(70.75,135.975) VD12.K@70.749,136.864 VD12.K@70.749,136.864 71.384,137.499 R24.2@72.024,137.499 C32.2@73.149,137.499 73.166,137.481 74.487,137.481 DA2.3@74.505,137.464 ; v1(70.75,143.25) VD10.K@70.75,144.139 ; DA1.3@74.48,143.394 71.495,143.394 VD10.K@70.75,144.139
  Bottom w0.2: X4.2@59.6,140.125 67.625,140.125 v1(70.75,143.25) 70.75,141.434 70.225,140.909 70.225,136.5 v1(70.75,135.975)
in2_2: C37.2 C40.2 DA3.3 DA4.3 R34.2 R44.2 VD14.K VD16.K X4.4 | length 28.8
  Top w0.2: v1(70.6,128.275) 70.625,128.3 70.625,128.35 70.929,128.654 71.46,128.654 ; VD14.K@70.724,129.39 71.46,128.654 ; v1(70.725,121.1) 70.724,121.101 VD16.K@70.724,122.114 71.359,122.749 R44.2@71.999,122.749 C40.2@73.124,122.749 73.141,122.731 74.462,122.731 DA4.3@74.48,122.714 ; R34.2@71.999,128.644 DA3.3@74.455,128.644 ; R34.2@71.999,128.654 71.46,128.654
  Bottom w0.2: X4.4@59.6,129.125 59.891,129.125 60.741,128.275 v1(70.6,128.275) 70.6,126.484 70.475,126.359 70.475,121.458 70.725,121.208 v1(70.725,121.1)
in2_3: C45.2 C48.2 DA5.3 DA6.3 R54.2 R64.2 VD18.K VD20.K X5.2 | length 28.5
  Top w0.2: VD18.K@70.424,186.015 VD18.K@70.424,186.015 ; v1(70.425,184.85) VD18.K@70.424,186.015 ; v1(70.5,177.825) 70.5,178.663 VD20.K@70.424,178.739 71.059,179.374 R64.2@71.699,179.374 C48.2@72.824,179.374 72.841,179.357 74.162,179.357 DA6.3@74.18,179.339 ; DA5.3@74.155,185.269 71.17,185.269 VD18.K@70.424,186.015
  Bottom w0.2: X5.2@59.6,185.016 59.689,184.927 70.348,184.927 v1(70.425,184.85) 70.425,183.122 70.025,182.722 70.025,178.3 v1(70.5,177.825)
in2_4: C53.2 C56.2 DA7.3 DA8.3 R74.2 R84.2 VD22.K VD24.K X5.4 | length 30.3
  Top w0.2: v1(70.45,170.325) VD22.K@70.449,171.24 71.195,170.494 DA7.3@74.18,170.494 ; v1(70.5,162.9) 70.5,163.913 VD24.K@70.449,163.964 71.084,164.599 R84.2@71.724,164.599 C56.2@72.849,164.599 72.867,164.582 74.188,164.582 DA8.3@74.205,164.564
  Bottom w0.2: X5.4@59.6,174.016 66.759,174.016 v1(70.45,170.325) 69.975,169.85 69.975,165.178 70.5,164.653 v1(70.5,162.9)
in24+: DA9.4 DA10.4 FU3.1 Q1.2 Q3.2 X1.1 X1.2 | length 57.6
  Top w0.2: DA9.4@139.625,136.01 139,136.01 138.324,135.334 138.324,133.21 DA10.4@139.024,132.51 ; DA10.4@139.649,132.51 DA10.4@139.024,132.51 ; Q3.2@147.85,109.776 147.775,109.7 141.25,109.7 140.375,110.575 140.375,123.875 138.35,125.9 138.35,131.836 DA10.4@139.024,132.51 ; Q1.2@157.5,117.875 Q1.2@157.875,118.25
  Top w0.4: FU3.1@147.725,190.65 147.727,190.648 X1.1@151.788,190.648
  Top w1: Q3.2@147.85,109.776 155.901,109.776 157.5,111.375 Q1.2@157.5,117.875
in24-: Q2.3 Q4.3 R89.1 R90.1 R93.1 R94.1 VD47.K X1.3 X1.4 | length 29.9
  Top w0.2: R94.1@146.525,124.426 147.475,124.426 148.125,123.776 148.125,122.649 Q4.3@149.299,121.475 ; Q4.3@149.299,121.025 Q4.3@149.299,121.475 ; R93.1@152.175,117.651 152.325,117.8 152.325,121.9 151.525,122.7 150.524,122.7 Q4.3@149.299,121.475 ; R90.1@156.275,132.975 157.225,132.975 157.875,132.325 157.875,131.416 Q2.3@159.415,129.876 ; Q2.3@159.415,129.426 Q2.3@159.415,129.876 ; R89.1@162.2,126.075 162.2,130.45 161.825,130.825 160.364,130.825 Q2.3@159.415,129.876
  Top w0.4: VD47.K@148.325,174.525 148.448,174.648 X1.4@151.788,174.648
  other v2: 150.7,124.4 152.35,125.4 150.45,127.25 152.35,127.325 156.85,135.125 158.525,135.3 151.4,135.325 153.325,135.375 155.425,135.375 153.125,136.975 151.525,137 155.1,137 156.9,137.05 158.75,137.1
NetC3_1: C3.1 C4.2 C9.2 C11.2 D1.10 D1.15 | length 15.4
  Top w0.2: D1.10@140.599,162.675 141.975,162.675 142.275,162.375 C11.2@142.35,162.375 142.425,162.375 142.6,162.55 C9.2@143.75,162.55 ; D1.10@140.599,162.675 139.55,162.675 138.485,163.74 138.485,168.042 139.467,169.025 D1.15@140.599,169.025 141.4,169.025 141.65,169.275 C4.2@142.275,169.275 C3.1@143.2,169.275
NetC3_2: C3.2 C4.1 C9.1 C11.1 C12.2 C13.2 D1.9 D1.16 R1.2 | length 27.6
  Top w0.2: C12.2@137.297,157.547 137.297,157.6 137.976,158.279 138.029,158.279 139.975,160.225 139.975,161.243 D1.9@140.137,161.405 ; C3.2@143.2,170.075 C4.1@142.275,170.075 142.2,170.075 141.981,170.295 D1.16@140.599,170.295 139.874,170.295 138.085,168.505 138.085,162.54 139.22,161.405 D1.9@140.137,161.405 ; C13.2@143.75,156.8 143.75,158.5 R1.2@144.1,158.85 143.75,159.2 C9.1@143.75,160.55 143.45,160.55 142.425,161.575 C11.1@142.35,161.575 142.275,161.575 142.105,161.405 D1.9@140.599,161.405 D1.9@140.137,161.405
NetC5_2: C5.2 D1.3 | length 4.6
  Top w0.2: C5.2@126.024,167.699 126.079,167.755 D1.3@130.599,167.755
NetC6_1: C6.1 DD6.12 | length 23.6
  Top w0.2: DD6.12@106.626,160.387 106.626,159.914 106.663,159.877 107.848,159.877 v1(108.375,159.35) ; v1(111.15,156.225) 111.175,156.2 111.8,156.2 112.8,157.2 112.8,157.225 117.675,162.1 118.45,162.1 122.25,165.9 C6.1@124.024,165.9
  Bottom w0.2: v1(108.375,159.35) 108.452,159.273 108.452,158.923 v1(111.15,156.225)
NetC6_2: C6.2 D1.4 D1.5 | length 6.5
  Top w0.2: C6.2@126.024,165.9 129.289,165.9 ; D1.5@130.599,165.215 129.874,165.215 129.289,165.8 129.289,165.9 ; D1.4@130.599,166.485 129.874,166.485 129.289,165.9
NetC7_2: C7.2 D1.6 | length 4.6
  Top w0.2: C7.2@126.024,164.125 129.6,164.125 129.78,163.945 D1.6@130.599,163.945
NetC16_1: C16.1 C17.2 C22.2 C24.2 D2.10 D2.15 | length 15.4
  Top w0.2: C16.1@143.275,152.849 C17.2@142.35,152.849 141.725,152.849 141.474,152.599 D2.15@140.674,152.599 139.542,152.599 138.559,151.616 138.559,147.315 139.625,146.249 140.674,146.249 142.05,146.249 142.35,145.95 C24.2@142.425,145.95 142.5,145.95 142.675,146.124 C22.2@143.825,146.124
NetC16_2: C16.2 C17.1 C22.1 C24.1 C25.2 C26.2 D2.9 D2.16 R4.2 | length 28.7
  Top w0.2: C25.2@137.025,141.174 138.675,141.174 140.05,142.549 140.05,144.817 D2.9@140.211,144.979 ; C16.2@143.275,153.649 C17.1@142.35,153.649 142.275,153.649 142.055,153.869 D2.16@140.674,153.869 139.949,153.869 138.159,152.079 138.159,146.115 139.295,144.979 D2.9@140.211,144.979 ; C26.2@143.825,140.375 143.825,142.075 R4.2@144.175,142.425 143.825,142.774 C22.1@143.825,144.124 143.525,144.124 142.5,145.15 C24.1@142.425,145.15 142.35,145.15 142.179,144.979 D2.9@140.674,144.979 D2.9@140.211,144.979
NetC18_2: C18.2 D2.3 | length 4.6
  Top w0.2: C18.2@126.099,151.274 126.154,151.329 D2.3@130.674,151.329
NetC19_1: C19.1 DD5.12 | length 38.9
  Top w0.2: DD5.12@107.388,130.562 107.388,129.952 108.351,128.989 108.351,128.873 109.549,127.675 120.916,127.675 122.4,129.159 122.4,148.9 122.85,149.35 123.975,149.35 C19.1@124.099,149.474
NetC19_2: C19.2 D2.4 D2.5 | length 6.5
  Top w0.2: C19.2@126.099,149.474 129.364,149.474 ; D2.5@130.674,148.789 129.949,148.789 129.364,149.374 129.364,149.474 ; D2.4@130.674,150.059 129.949,150.059 129.364,149.474
NetC20_2: C20.2 D2.6 | length 4.6
  Top w0.2: C20.2@126.099,147.699 129.674,147.699 129.854,147.519 D2.6@130.674,147.519
NetC27_1: C27.1 DA1.2 R9.1 R10.2 VD9.A | length 6.2
  Top w0.2: R10.2@69.224,146.699 69.224,146.524 69.874,145.874 70.534,145.874 VD9.A@70.749,145.659 71.744,144.664 DA1.2@74.48,144.664
NetC29_1: C29.1 DA1.4 R14.1 R15.2 VD10.A | length 6
  Top w0.2: R15.2@69.199,143.024 69.199,142.775 69.849,142.125 70.534,142.125 VD10.A@70.749,141.91 70.963,142.124 DA1.4@74.48,142.124
NetC31_1: C31.1 DA2.2 R19.1 R20.2 VD11.A | length 6.1
  Top w0.2: R20.2@69.199,139.375 69.199,139.124 69.849,138.474 70.534,138.474 VD11.A@70.749,138.259 71.239,138.749 R19.1@72.024,138.749 C31.1@73.149,138.749 73.156,138.741 74.497,138.741 DA2.2@74.505,138.734
NetC32_1: C32.1 DA2.4 R24.1 R25.2 VD12.A | length 7.1
  Top w0.2: R25.2@69.224,135.725 69.224,135.499 69.874,134.849 70.534,134.849 VD12.A@70.749,134.634 71.509,134.634 71.8,134.925 71.8,135.949 71.95,136.099 R24.1@72.024,136.099 C32.1@73.149,136.099 73.196,136.146 74.457,136.146 DA2.4@74.505,136.194
NetC35_1: C35.1 DA3.2 R29.1 R30.2 VD13.A | length 6.2
  Top w0.2: R30.2@69.199,131.949 69.199,131.774 69.849,131.124 70.509,131.124 VD13.A@70.724,130.909 71.719,129.914 DA3.2@74.455,129.914
NetC37_1: C37.1 DA3.4 R34.1 R35.2 VD14.A | length 6
  Top w0.2: R35.2@69.174,128.274 69.174,128.025 69.824,127.375 70.509,127.375 VD14.A@70.724,127.16 70.938,127.374 DA3.4@74.455,127.374
NetC39_1: C39.1 DA4.2 R39.1 R40.2 VD15.A | length 6.1
  Top w0.2: R40.2@69.174,124.625 69.174,124.374 69.824,123.724 70.509,123.724 VD15.A@70.724,123.509 71.214,123.999 R39.1@71.999,123.999 C39.1@73.124,123.999 73.131,123.991 74.472,123.991 DA4.2@74.48,123.984
NetC40_1: C40.1 DA4.4 R44.1 R45.2 VD16.A | length 7.1
  Top w0.2: R45.2@69.199,120.975 69.199,120.749 69.849,120.099 70.509,120.099 VD16.A@70.724,119.884 71.484,119.884 71.775,120.175 71.775,121.199 71.925,121.349 R44.1@71.999,121.349 C40.1@73.124,121.349 73.171,121.396 74.432,121.396 DA4.4@74.48,121.444
NetC43_1: C43.1 DA5.2 R49.1 R50.2 VD17.A | length 6.2
  Top w0.2: R50.2@68.899,188.575 68.899,188.399 69.549,187.749 70.209,187.749 VD17.A@70.424,187.534 71.419,186.539 DA5.2@74.155,186.539
NetC45_1: C45.1 DA5.4 R54.1 R55.2 VD18.A | length 6
  Top w0.2: R55.2@68.874,184.9 68.874,184.65 69.524,184 70.209,184 VD18.A@70.424,183.785 70.638,183.999 DA5.4@74.155,183.999
NetC47_1: C47.1 DA6.2 R59.1 R60.2 VD19.A | length 6.1
  Top w0.2: R60.2@68.874,181.25 68.874,180.999 69.524,180.349 70.209,180.349 VD19.A@70.424,180.134 70.914,180.624 R59.1@71.699,180.624 C47.1@72.824,180.624 72.831,180.617 74.172,180.617 DA6.2@74.18,180.609
NetC48_1: C48.1 DA6.4 R64.1 R65.2 VD20.A | length 7.1
  Top w0.2: R65.2@68.899,177.6 68.899,177.374 69.549,176.724 70.209,176.724 VD20.A@70.424,176.509 71.184,176.509 71.475,176.8 71.475,177.824 71.625,177.974 R64.1@71.699,177.974 C48.1@72.824,177.974 72.871,178.022 74.132,178.022 DA6.4@74.18,178.069
NetC51_1: C51.1 DA7.2 R69.1 R70.2 VD21.A | length 6.2
  Top w0.2: R70.2@68.925,173.8 68.925,173.624 69.575,172.974 70.234,172.974 VD21.A@70.449,172.759 71.444,171.764 DA7.2@74.18,171.764
NetC53_1: C53.1 DA7.4 R74.1 R75.2 VD22.A | length 6
  Top w0.2: R75.2@68.9,170.125 68.9,169.875 69.55,169.225 70.234,169.225 VD22.A@70.449,169.01 70.663,169.224 DA7.4@74.18,169.224
NetC55_1: C55.1 DA8.2 R79.1 R80.2 VD23.A | length 6.1
  Top w0.2: R80.2@68.9,166.475 68.9,166.224 69.55,165.574 70.234,165.574 VD23.A@70.449,165.359 70.939,165.849 R79.1@71.724,165.849 C55.1@72.849,165.849 72.857,165.842 74.198,165.842 DA8.2@74.205,165.834
NetC56_1: C56.1 DA8.4 R84.1 R85.2 VD24.A | length 7.2
  Top w0.2: R85.2@68.925,162.825 68.925,162.384 69.575,161.734 VD24.A@70.449,161.734 71.209,161.734 71.5,162.025 71.5,163.049 71.65,163.199 R84.1@71.724,163.199 C56.1@72.849,163.199 72.897,163.247 74.158,163.247 DA8.4@74.205,163.294
NetC65_1: C65.1 DD5.1 | length 5
  Top w0.2: C65.1@99.625,127.125 100.725,127.125 101.888,128.288 DD5.1@101.888,130.562
NetC66_1: C66.1 DD5.4 ZL1_U_PROC1.2 | length 12.4
  Top w0.2: C66.1@99.6,120.35 99.6,120.425 100.27,121.095 100.367,121.095 100.917,121.645 ZL1_U_PROC1.2@100.917,121.945 101.945,121.945 102.5,122.5 102.5,123.95 103.388,124.838 DD5.4@103.388,130.562
NetC67_1: C67.1 DD5.3 ZL1_U_PROC1.1 | length 9.4
  Top w0.2: C67.1@99.6,126.2 99.6,126.125 99.93,125.795 100.367,125.795 100.917,125.245 ZL1_U_PROC1.1@100.917,124.945 102.495,124.945 102.888,125.338 DD5.3@102.888,130.562
NetC68_1: C68.1 DD5.5 ZQ1.1 | length 10.6
  Top w0.2: C68.1@102.45,120.625 102.45,121.525 103.975,123.05 ZQ1.1@103.975,123.225 103.888,123.312 DD5.5@103.888,130.562